# Altium PCB Roa_Circuit_3st_V1.PcbDoc (part 2 of 2)
Units mm, origin at the board's own origin, x right, y up, seen from the top; angles counter-clockwise.
Board outline 220 x 135 mm, 4 copper layers (Top Layer, Layer 1, Layer 2, Bottom Layer), stack 0.672 mm thick; 226 components, 136 nets, 765 pads, 0 vias.
Unrouted connection lines stored in the file: 513.
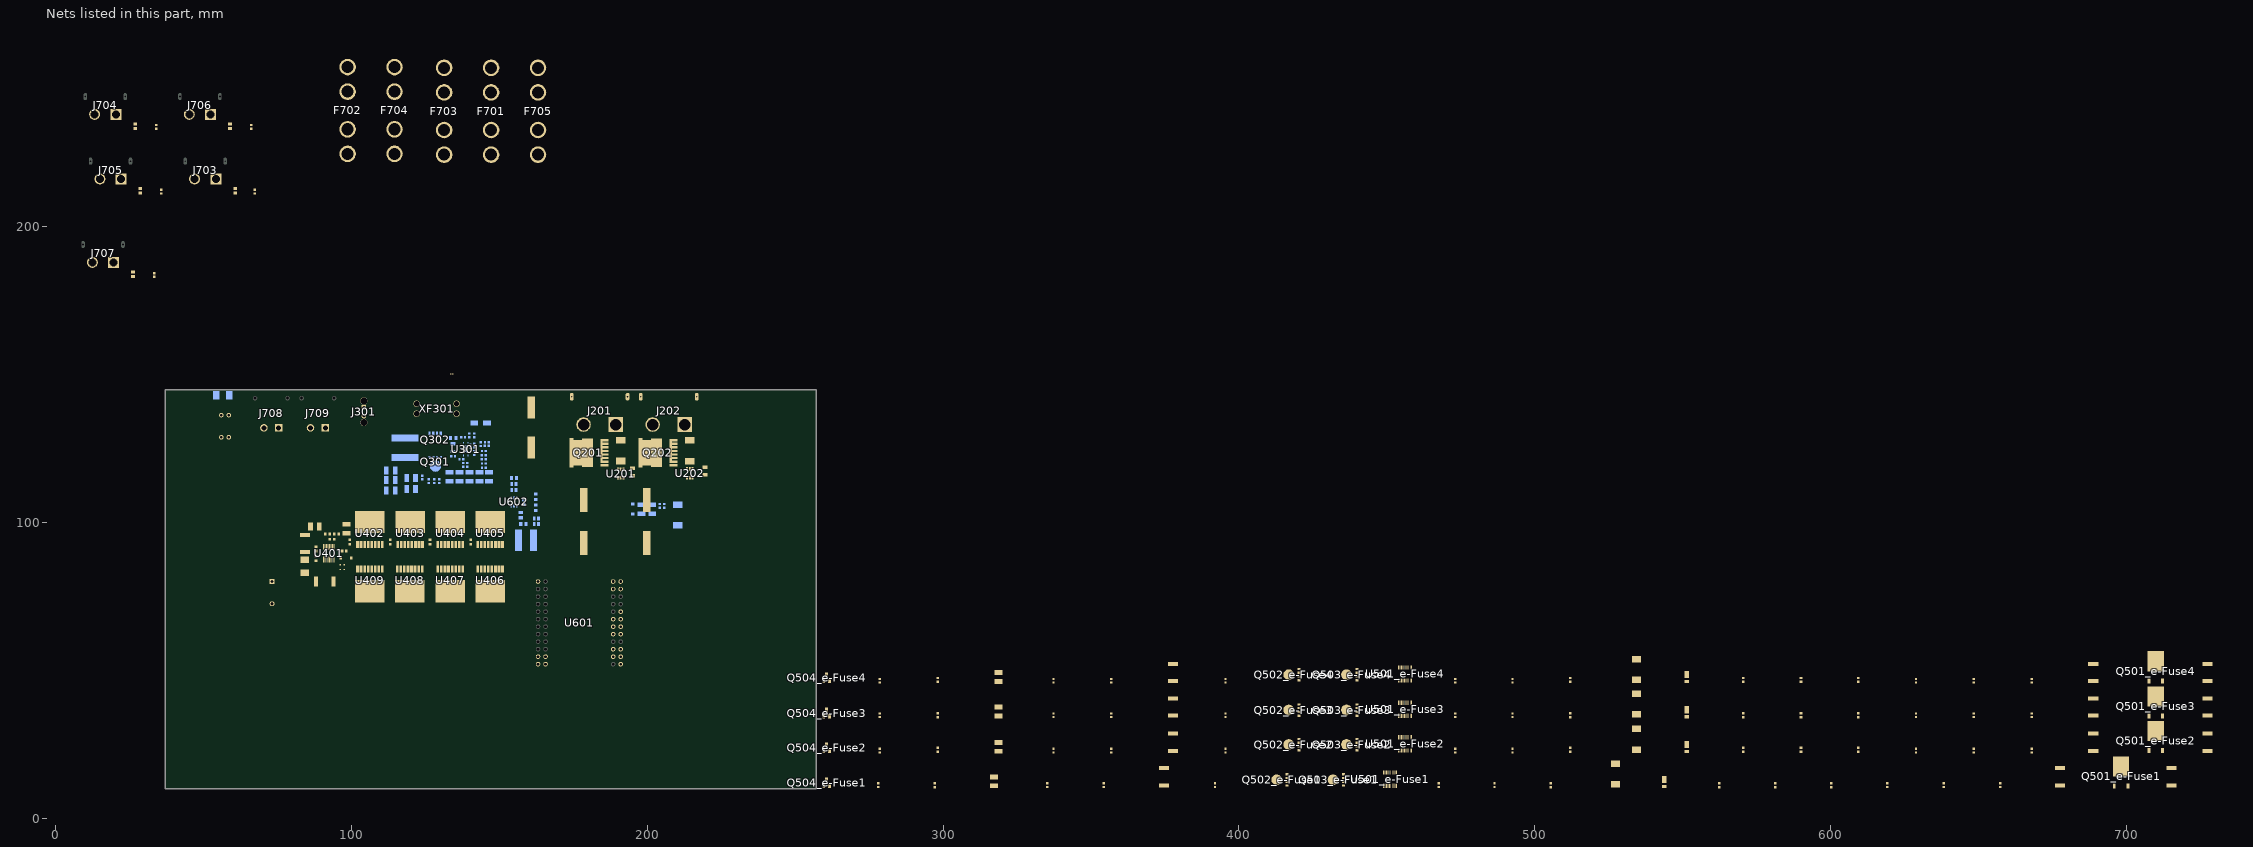
[diagram p2: the nets of this part, all layers, seen from the top]

## Part data
C201 C202: library part CMP-024-000020-15, "SMD type ceramic capacitor", Capacitance=1µF, Voltage=100V, Design Item ID=Capacitor, Source=robit_passive.SchLib
C203: library part CMP-024-000021-5, "SMD type tantalum capacitor", Capacitance=100nF, Voltage=63V, Design Item ID=Capacitor_tantal, Source=robit_passive.SchLib
C204 C205: library part MAL215099913E3, "Capacitor Polarised", Manufacturer_Name=Vishay, Mouser Part Number=594-MAL215099913E3, Arrow Part Number=MAL215099913E3, Arrow Price/Stock=null?region=nac, Datasheet Link=https://www.vishay.com/docs/28395/150crz.pdf, Height=22mm, Manufacturer_Part_Number=MAL215099913E3, Mouser Price/Stock=https://www.mouser.co.uk/ProductDetail/Vishay-BC-Components/MAL215099913E3?qs=bKenfurwlsm0xND%252Ba3hAeg%3D%3D
C206 C207 C302: library part CMP-024-000020-16, "SMD type ceramic capacitor", Capacitance=4.7µF, Voltage=100V, Design Item ID=Capacitor, Source=robit_passive.SchLib
C208 C209 C702 C704 C706 C708 C710: library part CMP-024-000020-16, "SMD type ceramic capacitor", Capacitance=0.1µF, Voltage=100V, Design Item ID=Capacitor, Source=robit_passive.SchLib
C301: library part EEV-FK2A221M, "Capacitor Polarised", Manufacturer_Name=Panasonic, Mouser Part Number=667-EEV-FK2A221M, Arrow Part Number=EEV-FK2A221M, Arrow Price/Stock=https://www.arrow.com/en/products/eevfk2a221m/panasonic?utm_currency=USD&region=nac, Datasheet Link=http://industrial.panasonic.com/cdbs/www-data/pdf/RDE0000/ABA0000C1181.pdf, Height=17mm, Manufacturer_Part_Number=EEV-FK2A221M, Mouser Price/Stock=https://www.mouser.co.uk/ProductDetail/Panasonic/EEV-FK2A221M?qs=f%252BPvLx1Hi0lum2kXFW5X7Q%3D%3D
C303 C317: library part CMP-024-000020-16, "SMD type ceramic capacitor", Capacitance=100nF, Voltage=100V, Design Item ID=Capacitor, Source=robit_passive.SchLib
C304 C305 C306 C308 C309 C320: library part CMP-024-000020-16, "SMD type ceramic capacitor", Capacitance=2.2µF, Voltage=50V, Design Item ID=Capacitor, Source=robit_passive.SchLib
C307 C310 C311: library part CMP-024-000020-16, "SMD type ceramic capacitor", Capacitance=100nF, Voltage=50V, Design Item ID=Capacitor, Source=robit_passive.SchLib
C312 C313 C314 C315 C316: library part CMP-024-000020-16, "SMD type ceramic capacitor", Capacitance=22µF, Voltage=50V, Design Item ID=Capacitor, Source=robit_passive.SchLib
C318: library part CMP-024-000020-16, "SMD type ceramic capacitor", Capacitance=15pF, Voltage=50V, Design Item ID=Capacitor, Source=robit_passive.SchLib
C319: library part CMP-024-000020-16, "SMD type ceramic capacitor", Capacitance=56nF, Voltage=50V, Design Item ID=Capacitor, Source=robit_passive.SchLib
C321: library part CMP-024-000020-16, "SMD type ceramic capacitor", Capacitance=4.7nF, Voltage=50V, Design Item ID=Capacitor, Source=robit_passive.SchLib
C322: library part CMP-024-000020-16, "SMD type ceramic capacitor", Capacitance=330pF, Voltage=50V, Design Item ID=Capacitor, Source=robit_passive.SchLib
C323: library part CMP-024-000020-16, "SMD type ceramic capacitor", Capacitance=470pF, Voltage=50V, Design Item ID=Capacitor, Source=robit_passive.SchLib
C401: library part CMP-024-000020-15, "SMD type ceramic capacitor", Capacitance=0.47µF, Voltage=50V, Design Item ID=Capacitor, Source=robit_passive.SchLib
C402: "Capacitor Polarised", Manufacturer_Name=TDK, Mouser Part Number=871-B41858C9477M, Datasheet Link=https://product.tdk.com/system/files/dam/doc/product/capacitor/aluminum-electrolytic/single-ended/data_sheet/20/30/db/aec/b41858.pdf, Height=37mm, Manufacturer_Part_Number=B41858C9477M000, Mouser Price/Stock=https://www.mouser.co.uk/ProductDetail/EPCOS-TDK/B41858C9477M000?qs=nadT%2FcWsIvCTpIhXZMST%2FQ%3D%3D
C403: library part CMP-024-000020-15, "SMD type ceramic capacitor", Capacitance=47nF, Voltage=50V, Design Item ID=Capacitor, Source=robit_passive.SchLib
C501_e-Fuse1 C501_e-Fuse2 C501_e-Fuse3 C501_e-Fuse4: library part CMP-024-000020-15, "SMD type ceramic capacitor", Capacitance=10µF, Voltage=50V, Design Item ID=Capacitor, Source=robit_passive.SchLib
C502_e-Fuse1 C502_e-Fuse2 C502_e-Fuse3 C502_e-Fuse4 C507_e-Fuse1 C507_e-Fuse2 C507_e-Fuse3 C507_e-Fuse4: library part CMP-024-000020-15, "SMD type ceramic capacitor", Capacitance=0.1µF, Voltage=50V, Design Item ID=Capacitor, Source=robit_passive.SchLib
C503_e-Fuse1 C503_e-Fuse2 C503_e-Fuse3 C503_e-Fuse4: library part CMP-024-000020-15, "SMD type ceramic capacitor", Capacitance=20.5µF, Voltage=50V, Design Item ID=Capacitor, Source=robit_passive.SchLib
C505_e-Fuse1 C505_e-Fuse2 C505_e-Fuse3 C505_e-Fuse4: library part CMP-024-000020-15, "SMD type ceramic capacitor", Capacitance=68nF, Voltage=50V, Design Item ID=Capacitor, Source=robit_passive.SchLib
C506_e-Fuse1 C506_e-Fuse2 C506_e-Fuse3 C506_e-Fuse4: library part CMP-024-000020-15, "SMD type ceramic capacitor", Capacitance=1nF, Voltage=50V, Design Item ID=Capacitor, Source=robit_passive.SchLib
C601 C602: library part CMP-024-000020-15, "SMD type ceramic capacitor", Capacitance=10µF, Voltage=25V, Design Item ID=Capacitor, Source=robit_passive.SchLib
C603: library part CMP-024-000020-15, "SMD type ceramic capacitor", Capacitance=0.1µF, Voltage=25V, Design Item ID=Capacitor, Source=robit_passive.SchLib
C604 C605: library part CMP-024-000020-15, "SMD type ceramic capacitor", Capacitance=22µF, Voltage=10V, Design Item ID=Capacitor, Source=robit_passive.SchLib
C701 C703 C705 C707 C709: library part CMP-024-000020-16, "SMD type ceramic capacitor", Capacitance=1µF, Voltage=100V, Design Item ID=Capacitor, Source=robit_passive.SchLib
D201 D202 D203: "TVS Diode (Uni-directional)", Manufacturer_Name=LITTELFUSE, Mouser Part Number=576-SMDJ58A, Arrow Part Number=SMDJ58A, Arrow Price/Stock=https://www.arrow.com/en/products/smdj58a/littelfuse?utm_currency=USD&region=nac, Datasheet Link=https://mouser.componentsearchengine.com/Datasheets/2/SMDJ58A.pdf, Height=2.62mm, Manufacturer_Part_Number=SMDJ58A, Mouser Price/Stock=https://www.mouser.co.uk/ProductDetail/Littelfuse/SMDJ58A?qs=zL8PTTxXkF2zAaoXCy3ytQ%3D%3D
D301: library part CMP-2000-04943-2, "DIODE SCHOTTKY 40V 1A SMA", Forward Current=1A, Manufacturer="ON Semiconductor", Max Junction Temp=+125°C, Max Repetitive Reverse Voltage=40V, Max Surge Forward Current=40A, Package=403AE, Peak Reverse Current=0.2mA, Temperature="-65°C to +125°C", Temperature Range Low=-65°C, Automotive=No, Category=Diode, ComponentLink2Description=Datasheet, ComponentLink2URL=https://www.onsemi.com/pub/Collateral/SS19-D.PDF, Device Class L1="Discrete Semiconductors", Device Class L2=Diodes, Device Class L3="Schottky Diodes", Digikey Description="DIODE SCHOTTKY 40V 1A SMA", Height=2.5mm, Lead Free=Yes, Manufacturer Part Number=SS14, Mouser Description="Schottky Diodes & Rectifiers SMA 40V 1.0A", Octopart=https://octopart.com/ss14-on+semiconductor-29205033, RoHS=TRUE, Standoff Height=0.05mm, Temperature Range High=+125°C
D401: library part CMP-1060-00175-1, "3 W Zener Voltage Regulator, 2-Pin SMB, Pb-Free, Tape and Reel", Manufacturer="On Semiconductor", ComponentLink1Description="Manufacturer URL", ComponentLink1URL=http://www.onsemi.com/, ComponentLink2Description=Datasheet, ComponentLink2URL=http://www.onsemi.com/pub_link/Collateral/1SMB5913BT3-D.PDF, ComponentLink3Description="Package Specification", ComponentLink3URL=http://www.onsemi.com/pub_link/Collateral/1SMB5913BT3-D.PDF, DatasheetVersion="Rev. 8", Mounting Technology="Surface Mount", PackageDescription="2-Pin Small Molded Package, J-Bend Lead, Body 4.33 x 3.625 mm", PackageReference=SMB-2-403A-03_H, PackageVersion="Rev. H, 05/2011", Packing="Tape and Reel", PartNumber=1SMB5945BT3G, RoHS=Pb-Free, VZ Typ (V)=68
D402 D403: library part CMP-1060-00793-1, "Zener Voltage Regulator, 500 mW, 2-Pin SOD-523, Pb-Free, Tape and Reel", Manufacturer="On Semiconductor", ComponentLink1Description="Manufacturer URL", ComponentLink1URL=http://www.onsemi.com/, ComponentLink2Description=Datasheet, ComponentLink2URL=http://www.onsemi.cn/pub_link/Collateral/MM5Z2V4T1-D.PDF, ComponentLink3Description="Package Specification", ComponentLink3URL=http://www.onsemi.com/pub_link/Collateral/502-01.PDF, DatasheetVersion="Rev. 10", Mounting Technology="Surface Mount", P Max (W)=0.5, PackageDescription="2-Pin SOD, Body 1.2 x 0.8 mm", PackageReference=SOD-523-2-502-01, PackageVersion="Rev. E, 09/2010", Packing="Tape and Reel", PartNumber=MM5Z15VT1G, RoHS=Pb-Free, VZ Typ (V)=15
D404: "Schottky Diode", Manufacturer_Name=MCC, Mouser Part Number=833-SMD110PL-TP, Arrow Part Number=SMD110PL-TP, Arrow Price/Stock=https://www.arrow.com/en/products/smd110pl-tp/micro-commercial-components?utm_currency=USD&region=europe, Datasheet Link=https://www.mccsemi.com/pdf/Products/SMD15PL-SMD1200PL(SOD-123FL).pdf, Height=1.35mm, Manufacturer_Part_Number=SMD110PL-TP, Mouser Price/Stock=https://www.mouser.co.uk/ProductDetail/Micro-Commercial-Components-MCC/SMD110PL-TP?qs=xjxbgUsuSIBtRX%252BtbqnRwQ%3D%3D
D501_e-Fuse1 D501_e-Fuse2 D501_e-Fuse3 D501_e-Fuse4: "TVS Diode (Uni-directional)", Manufacturer_Name=MCC, Datasheet Link=https://www.mccsemi.com/pdf/Products/SMLJ5.0AQ_SMLJ85CAQ(SMC).pdf, Height=2.823mm, Manufacturer_Part_Number=SMLJ58AQ-TP
D502_e-Fuse1 D502_e-Fuse2 D502_e-Fuse3 D502_e-Fuse4: library part CMP-2000-05099-1, "1 A High Voltage Schottky Barrier Rectifier, 0.62 V, -55 to 175 degC, 2- Pin POWERDI123, Pb-Free, Tape and Reel", Average Rectified Current-Max=1A, Forward Voltage=0.77V, Manufacturer="Diodes Inc", Peak Current-Max=40A, Reverse Current-Max=1µA, Reverse Voltage-Max [Vrrm]=100V, Datasheet URL=https://datasheet.ciiva.com/15144/getdatasheetpartid-44146-15144126.pdf, Datasheet Version=Sep-14, Manufacturer URL=http://www.diodes.com/
D601: library part CMP-026-000008-1, "Light Emitting Diode", Color=RED, Design Item ID=LED, Source=robit_passive.SchLib
D701: library part CMP-026-000004-1, "Rectifier Diode, Schottky, 1 Phase, 1 Element, 5A, 100V V(RRM), Silicon"
F701 F702 F703 F704 F705: "Auto Fuse Holder, 1 Fuse, Blade, Standard, THM, 50Amp, Hi-Temp Nylon, UL94V-0", Package=None, Check_prices=https://www.snapeda.com/parts/3555-2/Keystone/view-part/?ref=eda, MF="Keystone Electronics", MP=3555-2, SnapEDA_Link=https://www.snapeda.com/parts/3555-2/Keystone/view-part/?ref=snap
J201 J202: library part CMP-019-000092-5, "Socket; DC supply; XT90; male; PIN: 2; on PCBs; THT; Colour: yellow", Package=Package, Check_prices=https://www.snapeda.com/parts/XT90PW-M/AMASS/view-part/?ref=eda, Component Type=Standard, Design Item ID=XT90PW-M, MF=AMASS, MP=XT90PW-M, Pin Count=2, SnapEDA_Link=https://www.snapeda.com/parts/XT90PW-M/AMASS/view-part/?ref=snap, Source=XT90PW-M.SchLib, System=Connector
J301: library part CMP-019-000108-1, "Rectangular Power Connector, 2 Contact(s), Male, Solder Terminal, Plug", System=Connector
J302: library part CMP-187-000000-1, "2 way net tie junction", Component Type="Net Tie", ComponentLink1Description=Source, ComponentLink1URL=http://www.edatools.cz/addons, Design Item ID=2way, FootprintNote="LP=12mil, MP=40mil, HP=120mil", Pin Count=2, Source=NetTie.SchLib
J701 J702: library part CMP-019-000043-2, "Molex 2Pin Connector", Design Item ID=Molex_2Pin, Source=robit_connector.SchLib, System=Connector
J703 J704 J705 J706 J707: library part CMP-019-000059-2, "Socket, DC supply, male, PIN: 2", Package=Package, Availability="Not in stock", Check_prices=https://www.snapeda.com/parts/XT60PW-M/AMASS/view-part/?ref=eda, Design Item ID=XT60PW-M, MF=AMASS, MP=XT60PW-M, Price=None, SnapEDA_Link=https://www.snapeda.com/parts/XT60PW-M/AMASS/view-part/?ref=snap, Source=robit_connector.SchLib, System=Connector
J708 J709: library part CMP-019-000079-2, "Socket; DC supply; XT30; male; PIN: 2; on PCBs; THT; Colour: yellow", Package=None, Check_prices=https://www.snapeda.com/parts/XT30PW-M/AMASS/view-part/?ref=eda, Component Type=Standard, Design Item ID=XT30PW-M, MF=AMASS, MP=XT30PW-M, Pin Count=2, SnapEDA_Link=https://www.snapeda.com/parts/XT30PW-M/AMASS/view-part/?ref=snap, Source=XT30PW-M.SchLib, System=Connector
L301: library part CMP-028-000007-1, "General Purpose Inductor, 5.6uH, 20%, 1 Element, Composite-Core, SMD, 4539", Inductance=6.8µH
L601: library part CMP-028-000006-1, "General Purpose Inductor, 6.8uH, 20%, 1 Element, Powdered Metal Alloy-Core, SMD, 3130", Inductance=3.3µH
Q201 Q202: "TRANS MOSFET N-CH 100V 300A 8HSOF", Digikey Part Number=IPT015N10N5ATMA1CT-ND, Manufacturer=Infineon, Mouser Part Number=726-IPT015N10N5ATMA1, Package=HSOF8, Part Number=IPT015N10N5, Temperature="-55°C to +175°C", Temperature Range High=+175°C, Temperature Range Low=-55°C, ComponentLink1Description=Upverter, ComponentLink1URL=https://upverter.com/upn/revision/59ddb1136ed40b7f/, ComponentLink2Description=Datasheet, ComponentLink2URL=http://www.infineon.com/dgdl/Infineon-IPT015N10N5-DS-v02_02-EN.pdf?fileId=5546d4624a75e5f1014ac94680661aff, Digikey Description="TRANS MOSFET N-CH 100V 300A 8HSOF", helpURL=https://upverter.com/upn/revision/59ddb1136ed40b7f/, Lead Free=yes, RoHS=TRUE, Supplier 1=Digi-Key, Supplier 2=Mouser, Supplier Part Number 1=IPT015N10N5ATMA1CT-ND, Supplier Part Number 2=726-IPT015N10N5ATMA1
Q301: library part CMP-04962-000018-1, "MOSFET N-CH 100V 50 8SON", Continuous Drain Current=10A, Drain to Source Breakdown Voltage=100V, Drain to Source Resistance=12.6mΩ, Gate To Source Voltage=20V, Input Capacitace At Vds="1290pF @ 50V", Manufacturer="Texas Instruments", Max Forward Diode Voltage=1V, Max Junction Temp=+150°C, Package=DQJ0008A, Power Dissipation=3.2W, Pulse Drain Current=137A, Temperature="-55°C to +150°C", Temperature Range Low=-55°C, Typ Forward Diode Voltage=0.8V, Automotive=No, Category=Trans, ComponentLink2Description=Datasheet, ComponentLink2URL=http://www.ti.com/lit/ds/symlink/csd19534q5a.pdf, Depletion Mode=False, Device Class L1="Discrete Semiconductors", Device Class L2=Transistors, Device Class L3=MOSFETs, Digikey Description="MOSFET N-CH 100V 50 8SON", Drain To Source Voltage=100V, Gate Charge At Vgs="17nC @ 10V", Height=1.1mm, Lead Free=Yes, Manufacturer Part Number=CSD19534Q5A, Mouser Description="MOSFET N-Channel MOSFET", Number of Channels=1, Number Of N Channels=1, Octopart=https://octopart.com/csd19534q5a-texas+instruments-46749514, Reverse Recovery Charge=134nC, Reverse Recovery Time=53ns, RoHS=TRUE, Rthja Max=50°C/W, Temperature Range High=+150°C, Threshold Vgs Max=3.4V, Threshold Vgs Min=2.4V, Transconductance=47S, Turn Off Delay Time=20ns, Turn On Delay Time=9ns
Q302: library part CMP-00003-1, "100-V, N channel NexFET™ power MOSFET, single SON 5 mm x 6 mm, 4.9 mOhm 8-VSON-CLIP -55 to 150", Continuous Drain Current (ID)=100A, Drain to Source Breakdown Voltage=100V, Drain to Source Resistance=4.6mΩ, Gate to Source Voltage (Vgs)=20V, Input Capacitance=4.81nF, Manufacturer Lifecycle Status=ACTIVE, Max Junction Temperature (Tj)=150°C, Max Power Dissipation=3.1W, Min Operating Temperature=-55°C, Threshold Voltage=2.6V, Contact Plating=Tin, Drain to Source Voltage (Vdss)=100V, Element Configuration=Single, Fall Time=6ns, Height=0m, Lead Free="Contains Lead", Length=5mm, Lifecycle Status=Production, Max Operating Temperature=150°C, Mounting Technology="Surface Mount", Number of Channels=1, Number of Elements=1, Packaging=Digi-Reel®, Pins=8, Power Dissipation=3.1W, Rds On Max=4.9mΩ, REACH SVHC=No, Rise Time=6ns, RoHS=Compliant, Schedule B="8541290080, 8541290080", Thickness=950µm, Turn-Off Delay Time=22ns, Turn-On Delay Time=7ns, Width=5mm
Q501_e-Fuse1 Q501_e-Fuse2 Q501_e-Fuse3 Q501_e-Fuse4: library part CMP-1091-00169-1, "N-Channel OptiMOS 3 Power-Transistor, 100 V VDS, 90 A ID, -55 to 175 degC, PG-TO252-3-11, Reel, Green", Manufacturer=Infineon, ComponentLink1Description="Manufacturer URL", ComponentLink1URL=http://www.infineon.com/, ComponentLink2Description=Datasheet, ComponentLink2URL=http://www.infineon.com/dgdl/IPD068N10N3+G_Rev2.1.pdf?folderId=db3a304313b8b5a60113cee8763b02d7&fileId=db3a30431ce5fb52011d1eb7aeb615d1, ComponentLink3Description="Package Specification", ComponentLink3URL=http://www.infineon.com/dgdl/IPD160N04L_rev1.0.pdf?folderId=db3a3043163797a6011643468e7505a4&fileId=db3a3043163797a60116436401cf05cf, DatasheetVersion="Rev. 2.1", Green=TRUE, ID (max)="90Â A", IDpuls (max)="360Â A", Mounting Technology="Surface Mount", PackageDescription="3-Pin Plastic (Green) Transistor Single Outline Package, 6.57 x 6.1 mm Body, 2.29 mm Pitch", PackageReference=PG-TO252-3-11, PackageVersion="Rev. 02, 03/2007", Packing=Reel, PartNumber="IPD068N10N3 G", Polarity=N, Ptot (max)="150Â W", QG="51Â nC", RDS (on) (max)="6.8Â mOhm", Rth="1Â K/W", RthJA (max)="62 K/W", RthJC (max)="1 K/W", VDS (max)="100Â V", VGS(th) (max)="3.5Â V", VGS(th) (min)="2Â V"
Q502_e-Fuse1 Q502_e-Fuse2 Q502_e-Fuse3 Q502_e-Fuse4 Q503_e-Fuse1 Q503_e-Fuse2 Q503_e-Fuse3 Q503_e-Fuse4: library part CMP-00278-108017151-1, "NVMFS015N10MCLT1G Mosfet, N-Ch, 100V, 47.1A, Dfn Rohs Compliant: Yes", Manufacturer Lifecycle Status=ACTIVE, Lifecycle Status=Production, NexarPartId=108017151
Q504_e-Fuse1 Q504_e-Fuse2 Q504_e-Fuse3 Q504_e-Fuse4: library part CMP-1670-00008-1, "NPN General Purpose Amplifier, 40 V, 0.2 A, -55 to 150 degC, 3-Pin SOT23, RoHS, Tape and Reel", Capacitance="1.8E-11 f", Frequency="12.288 MHz", Frequency Tolerance=30ppm, Load Capacitance="18 pF", Max Operating Temperature=70degC, Min Operating Temperature=-20degC, Package Quantity=1000, ComponentLink1Description="Manufacturer URL", ComponentLink1URL=https://www.fairchildsemi.com/, ComponentLink2Description=Datasheet, ComponentLink2URL=https://www.fairchildsemi.com/datasheets/MM/MMBT3904.pdf, ComponentLink3Description="Package Specification", ComponentLink3URL=http://www.fairchildsemi.com/dwg/MA/MA03D.pdf, DatasheetVersion="Rev. 1.1.0, 10/2014", ESR="40 Ohm", Height="0.041 inch", Length="0.197 inch", Mount="Surface Mount", PackageDescription="3-Pin Small Outline Transistor, Body 2.92 x 1.325 mm, Pitch 0.95 mm", PackageReference=SOT23-3, Packaging="Tape and Reel", Pins=4, REACH SVHC="No SVHC", RoHSCompliant=True, Tolerance=30ppm, Width="0.126 inch"
R301: library part CMP-029-000004-8, "SMD type resistor", Resistance=2.1, Design Item ID=Resistor, Source=robit_passive.SchLib
R302: library part CMP-029-000004-8, "SMD type resistor", Resistance=200k, Design Item ID=Resistor, Source=robit_passive.SchLib
R303: library part CMP-029-000004-8, "SMD type resistor", Resistance=442, Design Item ID=Resistor, Source=robit_passive.SchLib
R304: library part CMP-029-000004-8, "SMD type resistor", Resistance=7.32k, Design Item ID=Resistor, Source=robit_passive.SchLib
R305: library part CMP-029-000004-8, "SMD type resistor", Resistance=0, Design Item ID=Resistor, Source=robit_passive.SchLib
R306: library part CMP-029-000004-8, "SMD type resistor", Resistance=24.9k, Design Item ID=Resistor, Source=robit_passive.SchLib
R307: library part CMP-029-000004-8, "SMD type resistor", Resistance=20k, Design Item ID=Resistor, Source=robit_passive.SchLib
R308: library part CMP-029-000004-8, "SMD type resistor", Resistance=2.67k, Design Item ID=Resistor, Source=robit_passive.SchLib
R309: library part CMP-029-000004-8, "SMD type resistor", Resistance=17.8k, Design Item ID=Resistor, Source=robit_passive.SchLib
R310: library part CMP-029-000004-8, "SMD type resistor", Resistance=1.27k, Design Item ID=Resistor, Source=robit_passive.SchLib
R311: library part CMP-029-000004-8, "SMD type resistor", Resistance=48.7, Design Item ID=Resistor, Source=robit_passive.SchLib
R401 R402 R403 R404 R405 R406 R407 R409 R410 R411 R412 R512_e-Fuse1 R512_e-Fuse2 R512_e-Fuse3 R512_e-Fuse4 R513_e-Fuse1 R513_e-Fuse2 R513_e-Fuse3 R513_e-Fuse4: library part Resistor
R408: library part Resistor, "0.1W, 0603"
R501_e-Fuse1 R501_e-Fuse2 R501_e-Fuse3 R501_e-Fuse4: library part CMP-029-000004-8, "SMD type resistor", Resistance=470kΩ, Design Item ID=Resistor, Source=robit_passive.SchLib
R502_e-Fuse1 R502_e-Fuse2 R502_e-Fuse3 R502_e-Fuse4: library part CMP-029-000004-8, "SMD type resistor", Resistance=16.2kΩ, Design Item ID=Resistor, Source=robit_passive.SchLib
R503_e-Fuse1 R503_e-Fuse2 R503_e-Fuse3 R503_e-Fuse4: library part CMP-029-000004-8, "SMD type resistor", Resistance=14.7kΩ, Design Item ID=Resistor, Source=robit_passive.SchLib
R504_e-Fuse1 R504_e-Fuse2 R504_e-Fuse3 R504_e-Fuse4: library part CMP-029-000004-8, "SMD type resistor", Resistance=47.6kΩ, Design Item ID=Resistor, Source=robit_passive.SchLib
R505_e-Fuse1 R505_e-Fuse2 R505_e-Fuse3 R505_e-Fuse4 R506_e-Fuse1 R506_e-Fuse2 R506_e-Fuse3 R506_e-Fuse4: library part CMP-029-000004-8, "SMD type resistor", Resistance=10kΩ, Design Item ID=Resistor, Source=robit_passive.SchLib
R508_e-Fuse1 R508_e-Fuse2 R508_e-Fuse3 R508_e-Fuse4: library part CMP-029-000004-8, "SMD type resistor", Resistance=10Ω, Design Item ID=Resistor, Source=robit_passive.SchLib
R509_e-Fuse1 R509_e-Fuse2 R509_e-Fuse3 R509_e-Fuse4: library part CMP-029-000004-8, "SMD type resistor", Resistance=4.2kΩ, Design Item ID=Resistor, Source=robit_passive.SchLib
R510_e-Fuse1 R510_e-Fuse2 R510_e-Fuse3 R510_e-Fuse4: library part CMP-029-000004-8, "SMD type resistor", Resistance=100Ω, Design Item ID=Resistor, Source=robit_passive.SchLib
R511_e-Fuse1 R511_e-Fuse2 R511_e-Fuse3 R511_e-Fuse4: library part Resistor, "R(SNS)"
R601 R603: library part CMP-029-000004-8, "SMD type resistor", Resistance=10k, Design Item ID=Resistor, Source=robit_passive.SchLib
R602: library part CMP-029-000004-8, "SMD type resistor", Resistance=54.9k, Design Item ID=Resistor, Source=robit_passive.SchLib
R604: library part CMP-029-000004-1, "SMD type resistor", Resistance=330, Design Item ID=Resistor, Source=robit_passive.SchLib
U201 U202: library part CMP-026-000034-1, "5-V to 75-V 400-uA IQ ORing FET controller 6-SOT-23-THIN -40 to 125"
U301: "Automotive 100-V synchronous buck DC/DC controller with wide duty-cycle range 20-VQFN -40 to 150", Manufacturer_Name="Texas Instruments", Copyright="Copyright (C) 2026 Ultra Librarian. All rights reserved.", Manufacturer_Part_Number=LM5146QRGYTQ1, RefDes=RefDes, Type=TYPE
U401: library part CMP-0474-00539-1, "Surge Stopper with Ideal Diode, 4 to 80 V Vin, 16-pin SOP (MS-16), -40 to 85 degC, Pb-Free", Extended Temp="C, I, H", Manufacturer="Linear Technology", Power Good=no, Active Limiting=yes, Circuit Breaker Accuracy(%)=10, Circuit Breaker Threshold="50 mV", Circuit Breakers(#)=1, ComponentLink1Description="Manufacturer URL", ComponentLink1URL=http://www.linear.com/, ComponentLink2Description=Datasheet, ComponentLink2URL=http://cds.linear.com/docs/en/datasheet/436412f.pdf, ComponentLink3Description="Package Specification", ComponentLink3URL=http://cds.linear.com/docs/en/packaging/05081669_A_MS16.pdf, Fast Comparator=no, Mounting Technology="Surface Mount", PackageDescription="16-Pin Plastic MSOP, Body 4.04 x 3.00 mm, Pitch 0.50 mm", PackageReference=MS16, PackageVersion="Rev. Ã˜, 06/2010", PartNumber=LTC4364IMS-2#PBF, RoHS=TRUE, Vin Range="4 to 80 V"
U402 U403 U404 U405 U406 U407 U408 U409: "Infineonâ€™s OptiMOSâ„¢ power MOSFET in TO-Leadless package is optimized for high current applications up to 300 A, such as forklifts, light electric vehicles (LEV), power tools, point-of-loads (POL), telecom and e-fuses. Furthermore, the 60 percent smaller package size enables a very compact design. Compared to DÂ²PAK 7-pin, TO-Leadless shows a substantial reduction in footprint of 30 percent. The 50 percent reduced height offers a significant advantage in narrow applications such as rack or blade servers.", Manufacturer_Name=Infineon, Copyright="Copyright (C) 2025 Ultra Librarian. All rights reserved.", Manufacturer_Part_Number=IPT015N10N5ATMA1, RefDes=RefDes, Type=Type
U501_e-Fuse1 U501_e-Fuse2 U501_e-Fuse3 U501_e-Fuse4: "Integrated Circuit", Manufacturer_Name="Texas Instruments", Datasheet Link=https://www.ti.com/lit/ds/slusee5c/slusee5c.pdf, Height=1.1mm, Manufacturer_Part_Number=TPS48111-Q1
U601: library part CMP-021-000010-1, "processor", Design Item ID=STM32_MODULE, Source=robit_ic.SchLib
U602: library part CMP-04918-000155-1, "IC REG BUCK ADJ 3A TSOT23-6", Case/Package=SOT-23-6, Max Input Voltage=17V, Max Operating Temperature=125°C, Max Output Current=3A, Max Output Voltage=7V, Min Input Voltage=4.5V, Min Operating Temperature=-40°C, Min Output Voltage=760mV, Quiescent Current=190uA, Switching Frequency=650kHz, Contact Plating=Tin, Lead Free="Lead Free", Mount="Surface Mount", Number of Outputs=1, Operating Supply Voltage=17V, Output Configuration=Positive, Output Current=3A, Output Type=Adjustable, Output Voltage=7V, Packaging="Tape and Reel", Radiation Hardening=No, Synchronous Rectifier=Yes
XF301: library part CMP-2000-05461-1, "FUSE HOLDER, PCB MOUNT, 500VAC, 20A, ROHS", Current Rating=30A, Manufacturer=Keystone-Electronics, Voltage=500V, Category=CircuitProtection, Contact Finish=TinNickel, Contact Material=Brass, Datasheet URL=http://datasheet.octopart.com/3557-2-Keystone-datasheet-15715937.pdf, Datasheet Version=Apr-13, Family=Fuseholders, For Use With/Related Products=ATC,ATO257,MINI897, Fuse Size="0.43\"Lx0.15\"Wx0.64\"H(10.92mmx3.81mmx16.25mm)", Fuse Type=Blade, Fuseholder Type=Block, Manufacturer URL=http://www.keyelco.com/, Mounting Type=PCB, Number of Circuits=1, Orientation=Vertical, Series=-, Termination Style=PCPin

## Nets (pads, with @x,y where several pads share a name; then routed paths per layer and width w, separated by ;. In a path a pad name is that pad's centre, name@x,y a point inside that pad or via, vN(x,y) a via of type N, cw(c..) or ccw(c..) an arc to the next point about the centre after c; other vN are vias at no path point)
5V: C604.2 C605.2 L601.2 R602.2 R604.1
12V_IN: C601.2 C602.2 J301.1 J702.1 J708.P J709.P R601.1 U602.3 XF301.1 XF301.2
12V_RAW: C312.2 C313.2 C314.2 C315.2 C316.2 C317.2 D301.1 L301.2 R309.1 R311.1 XF301.3 XF301.4
48V: F705.2_1 F705.2_2
AGND: C319.1 J302.2 R304.1 R306.1 R310.2 U301.6
ARM_L: C701.1 C702.1 C703.1 C704.1 C705.1 C706.1 C707.1 C708.1 C709.1 C710.1 F701.1_1 F701.1_2 F702.1_1 F702.1_2 F703.1_1 F703.1_2 F704.1_1 F704.1_2 F705.1_1 F705.1_2 J703.1 J704.1 J705.1 J706.1 J707.1
BST_e-Fuse1: C505_e-Fuse1.1 U501_e-Fuse1.12
BST_e-Fuse2: C505_e-Fuse2.1 U501_e-Fuse2.12
BST_e-Fuse3: C505_e-Fuse3.1 U501_e-Fuse3.12
BST_e-Fuse4: C505_e-Fuse4.1 U501_e-Fuse4.12
COIL_EN: D701.1 J701.2 J702.2
CS+_e-Fuse1: R510_e-Fuse1.1 U501_e-Fuse1.18
CS+_e-Fuse2: R510_e-Fuse2.1 U501_e-Fuse2.18
CS+_e-Fuse3: R510_e-Fuse3.1 U501_e-Fuse3.18
CS+_e-Fuse4: R510_e-Fuse4.1 U501_e-Fuse4.18
CS-_e-Fuse1: C506_e-Fuse1.1 R511_e-Fuse1.1 U501_e-Fuse1.17
CS-_e-Fuse2: C506_e-Fuse2.1 R511_e-Fuse2.1 U501_e-Fuse2.17
CS-_e-Fuse3: C506_e-Fuse3.1 R511_e-Fuse3.1 U501_e-Fuse3.17
CS-_e-Fuse4: C506_e-Fuse4.1 R511_e-Fuse4.1 U501_e-Fuse4.17
DGATE: D403.1 U401.4 U406.1 U407.1 U408.1 U409.1
DIOD_e-Fuse1: Q504_e-Fuse1.1 Q504_e-Fuse1.3 U501_e-Fuse1.10
DIOD_e-Fuse2: Q504_e-Fuse2.1 Q504_e-Fuse2.3 U501_e-Fuse2.10
DIOD_e-Fuse3: Q504_e-Fuse3.1 Q504_e-Fuse3.3 U501_e-Fuse3.10
DIOD_e-Fuse4: Q504_e-Fuse4.1 Q504_e-Fuse4.3 U501_e-Fuse4.10
EFUSE_OUT1: C402.1 C501_e-Fuse1.2 C501_e-Fuse2.2 C501_e-Fuse3.2 C501_e-Fuse4.2 C502_e-Fuse1.2 C502_e-Fuse2.2 C502_e-Fuse3.2 C502_e-Fuse4.2 C506_e-Fuse1.2 C506_e-Fuse2.2 C506_e-Fuse3.2 C506_e-Fuse4.2 D501_e-Fuse1.1 D501_e-Fuse2.1 D501_e-Fuse3.1 D501_e-Fuse4.1 D502_e-Fuse1.2 D502_e-Fuse2.2 D502_e-Fuse3.2 D502_e-Fuse4.2 F701.2_1 F701.2_2 F702.2_1 F702.2_2 F703.2_1 F703.2_2 F704.2_1 F704.2_2 Q502_e-Fuse1.5-6 Q502_e-Fuse2.5-6 Q502_e-Fuse3.5-6 Q502_e-Fuse4.5-6 R405.2 R406.1 R501_e-Fuse1.2 R501_e-Fuse2.2 R501_e-Fuse3.2 R501_e-Fuse4.2 R508_e-Fuse1.2 R508_e-Fuse2.2 R508_e-Fuse3.2 R508_e-Fuse4.2 R509_e-Fuse1.2 R509_e-Fuse2.2 R509_e-Fuse3.2 R509_e-Fuse4.2 R510_e-Fuse1.2 R510_e-Fuse2.2 R510_e-Fuse3.2 R510_e-Fuse4.2 R511_e-Fuse1.2 R511_e-Fuse2.2 R511_e-Fuse3.2 R511_e-Fuse4.2 U401.1
EN: R601.2 U602.5
EN/UVLO_e-Fuse1: R501_e-Fuse1.1 R502_e-Fuse1.2 U501_e-Fuse1.1
EN/UVLO_e-Fuse2: R501_e-Fuse2.1 R502_e-Fuse2.2 U501_e-Fuse2.1
EN/UVLO_e-Fuse3: R501_e-Fuse3.1 R502_e-Fuse3.2 U501_e-Fuse3.1
EN/UVLO_e-Fuse4: R501_e-Fuse4.1 R502_e-Fuse4.2 U501_e-Fuse4.1
ENABLE: U401.14 U601.19
FAULT: U401.13 U601.6
FB: R406.2 R407.1 U401.16
FLT_I1: R506_e-Fuse1.1 U601.15
FLT_I2: R506_e-Fuse2.1 U601.38
FLT_I3: R506_e-Fuse3.1 U601.18
FLT_I4: R506_e-Fuse4.1 U601.24
FLT_I_e-Fuse1: R506_e-Fuse1.2 U501_e-Fuse1.5
FLT_I_e-Fuse2: R506_e-Fuse2.2 U501_e-Fuse2.5
FLT_I_e-Fuse3: R506_e-Fuse3.2 U501_e-Fuse3.5
FLT_I_e-Fuse4: R506_e-Fuse4.2 U501_e-Fuse4.5
FLT_T1: R505_e-Fuse1.1 U601.10
FLT_T2: R505_e-Fuse2.1 U601.35
FLT_T3: R505_e-Fuse3.1 U601.7
FLT_T4: R505_e-Fuse4.1 U601.1
FLT_T_e-Fuse1: R505_e-Fuse1.2 U501_e-Fuse1.4
FLT_T_e-Fuse2: R505_e-Fuse2.2 U501_e-Fuse2.4
FLT_T_e-Fuse3: R505_e-Fuse3.2 U501_e-Fuse3.4
FLT_T_e-Fuse4: R505_e-Fuse4.2 U501_e-Fuse4.4
G_e-Fuse1: Q501_e-Fuse1.1 U501_e-Fuse1.11
G_e-Fuse2: Q501_e-Fuse2.1 U501_e-Fuse2.11
G_e-Fuse3: Q501_e-Fuse3.1 U501_e-Fuse3.11
G_e-Fuse4: Q501_e-Fuse4.1 U501_e-Fuse4.11
GATE: Q201.1 Q202.1 U201.5 U202.5
GND: C201.1 C202.1 C203.1 C204.2 C205.2 C206.2 C207.1 C208.1 C209.1 C301.2 C302.1 C303.1 C304.1 C305.1 C306.1 C307.1 C308.1 C309.1 C310.1 C312.1 C313.1 C314.1 C315.1 C316.1 C317.1 C318.2 C320.1 C401.1 C402.2 C403.1 C501_e-Fuse1.1 C501_e-Fuse2.1 C501_e-Fuse3.1 C501_e-Fuse4.1 C502_e-Fuse1.1 C502_e-Fuse2.1 C502_e-Fuse3.1 C502_e-Fuse4.1 C503_e-Fuse1.1 C503_e-Fuse2.1 C503_e-Fuse3.1 C503_e-Fuse4.1 C507_e-Fuse1.1 C507_e-Fuse2.1 C507_e-Fuse3.1 C507_e-Fuse4.1 C604.1 C605.1 C701.2 C702.2 C703.2 C704.2 C705.2 C706.2 C707.2 C708.2 C709.2 C710.2 D201.2 D202.2 D203.2 D401.2 D501_e-Fuse1.2 D501_e-Fuse2.2 D501_e-Fuse3.2 D501_e-Fuse4.2 D502_e-Fuse1.1 D502_e-Fuse2.1 D502_e-Fuse3.1 D502_e-Fuse4.1 D601.1 D701.2 J201.N J201.S1 J201.S2 J202.N J202.S1 J202.S2 J301.2 J301.3 J301.4 J302.1 J701.1 J703.2 J704.2 J705.2 J706.2 J707.2 J708.N J709.N Q302.1 Q302.2 Q302.3 Q504_e-Fuse1.2 Q504_e-Fuse2.2 Q504_e-Fuse3.2 Q504_e-Fuse4.2 R305.1 R403.2 R407.2 R502_e-Fuse1.1 R502_e-Fuse2.1 R502_e-Fuse3.1 R502_e-Fuse4.1 R503_e-Fuse1.1 R503_e-Fuse2.1 R503_e-Fuse3.1 R503_e-Fuse4.1 R504_e-Fuse1.1 R504_e-Fuse2.1 R504_e-Fuse3.1 R504_e-Fuse4.1 U201.2 U201.3 U202.2 U202.3 U301.12 U301.15 U301.21 U401.12 U501_e-Fuse1.6 U501_e-Fuse2.6 U501_e-Fuse3.6 U501_e-Fuse4.6 U601.12 U601.48 U602.1
HGATE: D402.1 D404.2 R408.1 R409.1 R410.1 R411.1 R412.1 U401.6
I_SENSE_P: R405.1 U401.2
IMON_e-Fuse1: R503_e-Fuse1.2 U501_e-Fuse1.7
IMON_e-Fuse2: R503_e-Fuse2.2 U501_e-Fuse2.7
IMON_e-Fuse3: R503_e-Fuse3.2 U501_e-Fuse3.7
IMON_e-Fuse4: R503_e-Fuse4.2 U501_e-Fuse4.7
IN: C201.2 C202.2 D201.1 D202.1 J201.P J202.P Q201.2-8 Q202.2-8 U201.1 U201.4 U202.1 U202.4
INP1: U501_e-Fuse1.3 U601.11
INP2: U501_e-Fuse2.3 U601.8
INP3: U501_e-Fuse3.3 U601.36
INP4: U501_e-Fuse4.3 U601.2
INP_G1: U501_e-Fuse1.2 U601.14
INP_G2: U501_e-Fuse2.2 U601.17
INP_G3: U501_e-Fuse3.2 U601.37
INP_G4: U501_e-Fuse4.2 U601.23
ISCP_e-Fuse1: R509_e-Fuse1.1 U501_e-Fuse1.19
ISCP_e-Fuse2: R509_e-Fuse2.1 U501_e-Fuse2.19
ISCP_e-Fuse3: R509_e-Fuse3.1 U501_e-Fuse3.19
ISCP_e-Fuse4: R509_e-Fuse4.1 U501_e-Fuse4.19
IWRN_e-Fuse1: R504_e-Fuse1.2 U501_e-Fuse1.8
IWRN_e-Fuse2: R504_e-Fuse2.2 U501_e-Fuse2.8
IWRN_e-Fuse3: R504_e-Fuse3.2 U501_e-Fuse3.8
IWRN_e-Fuse4: R504_e-Fuse4.2 U501_e-Fuse4.8
LM5146_VCC: C320.2 D301.2 R307.2 U301.14
NetC311_1: C311.1 L301.1 Q301.1 Q301.2 Q301.3 Q302.5-6-7-8 R303.2 U301.19
NetC311_2: C311.2 U301.17
NetC318_1: C318.1 R303.1 U301.11
NetC319_2: C319.2 U301.3
NetC321_1: C321.1 R308.2
NetC321_2: C321.2 C322.2 U301.4
NetC322_1: C322.1 C323.2 R308.1 R309.2 R310.1 U301.5
NetC323_1: C323.1 R311.2
NetC403_2: C403.2 D404.1 R408.2
NetC601_1: C601.1 C602.1 R603.1
NetD601_2: D601.2 R604.2
NetQ301_4: Q301.4 U301.18
NetQ302_4: Q302.4 U301.13
NetQ501_e-Fuse1_2: Q501_e-Fuse1.2 R512_e-Fuse1.1 R513_e-Fuse1.1
NetQ501_e-Fuse2_2: Q501_e-Fuse2.2 R512_e-Fuse2.1 R513_e-Fuse2.1
NetQ501_e-Fuse3_2: Q501_e-Fuse3.2 R512_e-Fuse3.1 R513_e-Fuse3.1
NetQ501_e-Fuse4_2: Q501_e-Fuse4.2 R512_e-Fuse4.1 R513_e-Fuse4.1
NetR302_1: R302.1 R304.2 U301.1
NetR305_2: R305.2 U301.8
NetR306_2: R306.2 U301.2
NetR307_1: R307.1 U301.10
NetR409_2: R409.2 U402.1
NetR410_2: R410.2 U403.1
NetR411_2: R411.2 U404.1
NetR412_2: R412.2 U405.1
OUT: C203.2 C204.1 C205.1 C206.1 C207.2 C208.2 C209.2 C301.1 C302.2 C303.2 C304.2 C305.2 C306.2 C307.2 C308.2 C309.2 D203.1 D401.1 Q201.Tab Q202.Tab Q301.5-6-7-8 R301.2 R302.2 R401.1 R404.1 U201.6 U202.6 U402.9 U403.9 U404.9 U405.9
OV: R402.2 R403.1 U401.11
PA5: U401.9 U601.5
PD_e-Fuse1: Q502_e-Fuse1.4 Q503_e-Fuse1.4 U501_e-Fuse1.14 U501_e-Fuse1.15
PD_e-Fuse2: Q502_e-Fuse2.4 Q503_e-Fuse2.4 U501_e-Fuse2.14 U501_e-Fuse2.15
PD_e-Fuse3: Q502_e-Fuse3.4 Q503_e-Fuse3.4 U501_e-Fuse3.14 U501_e-Fuse3.15
PD_e-Fuse4: Q502_e-Fuse4.4 Q503_e-Fuse4.4 U501_e-Fuse4.14 U501_e-Fuse4.15
PRE_CHARGE_e-Fuse1: R512_e-Fuse1.2 R513_e-Fuse1.2
PRE_CHARGE_e-Fuse2: R512_e-Fuse2.2 R513_e-Fuse2.2
PRE_CHARGE_e-Fuse3: R512_e-Fuse3.2 R513_e-Fuse3.2
PRE_CHARGE_e-Fuse4: R512_e-Fuse4.2 R513_e-Fuse4.2
SENSE: U406.9 U407.9 U408.9 U409.9
SOURCE: D402.2 D403.2 U401.5 U402.2 U402.3 U402.4 U402.5 U402.6 U402.7 U402.8 U403.2 U403.3 U403.4 U403.5 U403.6 U403.7 U403.8 U404.2 U404.3 U404.4 U404.5 U404.6 U404.7 U404.8 U405.2 U405.3 U405.4 U405.5 U405.6 U405.7 U405.8 U406.2 U406.3 U406.4 U406.5 U406.6 U406.7 U406.8 U407.2 U407.3 U407.4 U407.5 U407.6 U407.7 U407.8 U408.2 U408.3 U408.4 U408.5 U408.6 U408.7 U408.8 U409.2 U409.3 U409.4 U409.5 U409.6 U409.7 U409.8
SRC_e-Fuse1: C505_e-Fuse1.2 Q501_e-Fuse1.3 Q502_e-Fuse1.1 Q502_e-Fuse1.2 Q502_e-Fuse1.3 Q503_e-Fuse1.1 Q503_e-Fuse1.2 Q503_e-Fuse1.3 Q503_e-Fuse1.5-6 U501_e-Fuse1.13
SRC_e-Fuse2: C505_e-Fuse2.2 Q501_e-Fuse2.3 Q502_e-Fuse2.1 Q502_e-Fuse2.2 Q502_e-Fuse2.3 Q503_e-Fuse2.1 Q503_e-Fuse2.2 Q503_e-Fuse2.3 Q503_e-Fuse2.5-6 U501_e-Fuse2.13
SRC_e-Fuse3: C505_e-Fuse3.2 Q501_e-Fuse3.3 Q502_e-Fuse3.1 Q502_e-Fuse3.2 Q502_e-Fuse3.3 Q503_e-Fuse3.1 Q503_e-Fuse3.2 Q503_e-Fuse3.3 Q503_e-Fuse3.5-6 U501_e-Fuse3.13
SRC_e-Fuse4: C505_e-Fuse4.2 Q501_e-Fuse4.3 Q502_e-Fuse4.1 Q502_e-Fuse4.2 Q502_e-Fuse4.3 Q503_e-Fuse4.1 Q503_e-Fuse4.2 Q503_e-Fuse4.3 Q503_e-Fuse4.5-6 U501_e-Fuse4.13
SW: C603.2 L601.1 U602.2
TMR: C401.2 U401.15
TMR_e-Fuse1: C503_e-Fuse1.2 U501_e-Fuse1.9
TMR_e-Fuse2: C503_e-Fuse2.2 U501_e-Fuse2.9
TMR_e-Fuse3: C503_e-Fuse3.2 U501_e-Fuse3.9
TMR_e-Fuse4: C503_e-Fuse4.2 U501_e-Fuse4.9
UV: R401.2 R402.1 U401.10
VBST: C603.1 U602.6
VCC: R404.2 U401.8
VFB: R602.1 R603.2 U602.4
VIN_IC: C310.2 R301.1 U301.20
VS_e-Fuse1: C507_e-Fuse1.2 R508_e-Fuse1.1 U501_e-Fuse1.20
VS_e-Fuse2: C507_e-Fuse2.2 R508_e-Fuse2.1 U501_e-Fuse2.20
VS_e-Fuse3: C507_e-Fuse3.2 R508_e-Fuse3.1 U501_e-Fuse3.20
VS_e-Fuse4: C507_e-Fuse4.2 R508_e-Fuse4.1 U501_e-Fuse4.20
pads on no net: J703.S1 J703.S2 J704.S1 J704.S2 J705.S1 J705.S2 J706.S1 J706.S2 J707.S1 J707.S2 J708.S1 J708.S2 J709.S1 J709.S2 U301.7 U301.9 U301.16 U301.V U401.3 U401.7 U501_e-Fuse1.16 U501_e-Fuse2.16 U501_e-Fuse3.16 U501_e-Fuse4.16 U601.3 U601.4 U601.9 U601.13 U601.16 U601.20 U601.21 U601.22 U601.25 U601.26 U601.27 U601.28 U601.29 U601.30 U601.31 U601.32 U601.33 U601.34 U601.39 U601.40 U601.41 U601.42 U601.43 U601.44 U601.45 U601.46 U601.47

## Keep-outs
Keep-Out Layer:
  the board outline again, w0.254

## Text inside footprints (layer, text, board x,y; h text height)
U402: Top Overlay "RefDes" at 104.328,96.945 h0.75; Top Overlay "REFDES" at 104.011,96.945 h0.75; Top 3D Body "RefDes2" at 104.011,96.945 h0.75
U403: Top Overlay "RefDes" at 117.917,96.945 h0.75; Top Overlay "REFDES" at 117.6,96.945 h0.75; Top 3D Body "RefDes2" at 117.6,96.945 h0.75
U404: Top Overlay "RefDes" at 131.506,96.945 h0.75; Top Overlay "REFDES" at 131.189,96.945 h0.75; Top 3D Body "RefDes2" at 131.189,96.945 h0.75
U405: Top Overlay "RefDes" at 144.968,96.945 h0.75; Top Overlay "REFDES" at 144.651,96.945 h0.75; Top 3D Body "RefDes2" at 144.651,96.945 h0.75
U406: Top Overlay "REFDES" at 149.096,79.927 h0.75 r180; Top Overlay "RefDes" at 148.778,79.927 h0.75 r180; Top 3D Body "RefDes2" at 149.096,79.927 h0.75 r180
U407: Top Overlay "REFDES" at 135.634,79.927 h0.75 r180; Top Overlay "RefDes" at 135.316,79.927 h0.75 r180; Top 3D Body "RefDes2" at 135.634,79.927 h0.75 r180
U408: Top Overlay "REFDES" at 121.918,79.927 h0.75 r180; Top Overlay "RefDes" at 121.6,79.927 h0.75 r180; Top 3D Body "RefDes2" at 121.918,79.927 h0.75 r180
U409: Top Overlay "RefDes" at 108.138,79.927 h0.75 r180; Top Overlay "REFDES" at 108.456,79.927 h0.75 r180; Top 3D Body "RefDes2" at 108.456,79.927 h0.75 r180
U601: Top Overlay "GND" at 167.538,81.04 h0.75 r270; Top Overlay "3.3V" at 168.538,81.04 h0.75 r270; Top Overlay "5V" at 185.538,51.54 h0.75 r90; Top Overlay "GND" at 186.538,51.04 h0.75 r90; Top Overlay "PC15" at 168.538,78.54 h0.75 r270; Top Overlay "PC14" at 167.538,78.54 h0.75 r270; Top Overlay "PB9" at 167.538,75.54 h0.75 r270; Top Overlay "PC13" at 168.538,75.54 h0.75 r270; Top Overlay "PB7" at 167.538,73.04 h0.75 r270; Top Overlay "PB8" at 168.538,73.04 h0.75 r270; Top Overlay "PB6" at 168.538,71.04 h0.75 r270; Top Overlay "PB5" at 167.538,71.04 h0.75 r270; Top Overlay "PB4" at 168.538,68.54 h0.75 r270; Top Overlay "PC12" at 167.538,68.54 h0.75 r270; Top Overlay "PC11" at 168.538,66.04 h0.75 r270; Top Overlay "PC10" at 167.538,66.04 h0.75 r270; Top Overlay "PA15" at 168.538,63.04 h0.75 r270; Top Overlay "PA12" at 167.538,63.04 h0.75 r270; Top Overlay "PA11" at 168.538,60.54 h0.75 r270; Top Overlay "PA10" at 167.538,60.54 h0.75 r270; Top Overlay "PA9" at 168.538,58.04 h0.75 r270; Top Overlay "PA8" at 167.538,58.04 h0.75 r270; Top Overlay "PC9" at 168.538,55.54 h0.75 r270; Top Overlay "PC8" at 167.538,55.54 h0.75 r270; Top Overlay "PC6" at 167.538,53.04 h0.75 r270; Top Overlay "PC7" at 168.538,53.04 h0.75 r270; Top Overlay "PC0" at 185.538,79.04 h0.75 r90; Top Overlay "PC2" at 185.538,76.54 h0.75 r90; Top Overlay "PC3" at 186.538,76.54 h0.75 r90; Top Overlay "PA0" at 185.538,74.04 h0.75 r90; Top Overlay "PA2" at 185.538,71.54 h0.75 r90; Top Overlay "PA4" at 185.538,69.04 h0.75 r90; Top Overlay "PA6" at 185.538,66.54 h0.75 r90; Top Overlay "PA3" at 186.538,71.54 h0.75 r90; Top Overlay "PA5" at 186.538,69.04 h0.75 r90; Top Overlay "PA1" at 186.538,74.04 h0.75 r90; Top Overlay "PA7" at 186.538,66.54 h0.75 r90; Top Overlay "PC4" at 185.538,64.04 h0.75 r90; Top Overlay "PC5" at 186.538,64.04 h0.75 r90; Top Overlay "PB0" at 185.538,61.54 h0.75 r90; Top Overlay "PB10" at 186.538,58.54 h0.75 r90; Top Overlay "PB2" at 185.538,58.54 h0.75 r90; Top Overlay "PB12" at 185.538,56.04 h0.75 r90; Top Overlay "PB14" at 185.538,53.54 h0.75 r90; Top Overlay "PB1" at 186.538,61.54 h0.75 r90; Top Overlay "PB15" at 186.538,53.54 h0.75 r90; Top Overlay "PB13" at 186.538,56.04 h0.75 r90; Bottom Overlay "5V" at 184.975,51.752 h0.75 r270; Bottom Overlay "GND" at 185.928,51.117 h0.75 r270; Bottom Overlay "3.3V" at 169.1,80.962 h0.75 r90; Bottom Overlay "GND" at 168.148,80.962 h0.75 r90; Bottom Overlay "STM32F4" at 179.938,51.24 h0.75